# KiCad board ISA_CGA.kicad_pcb (continued)
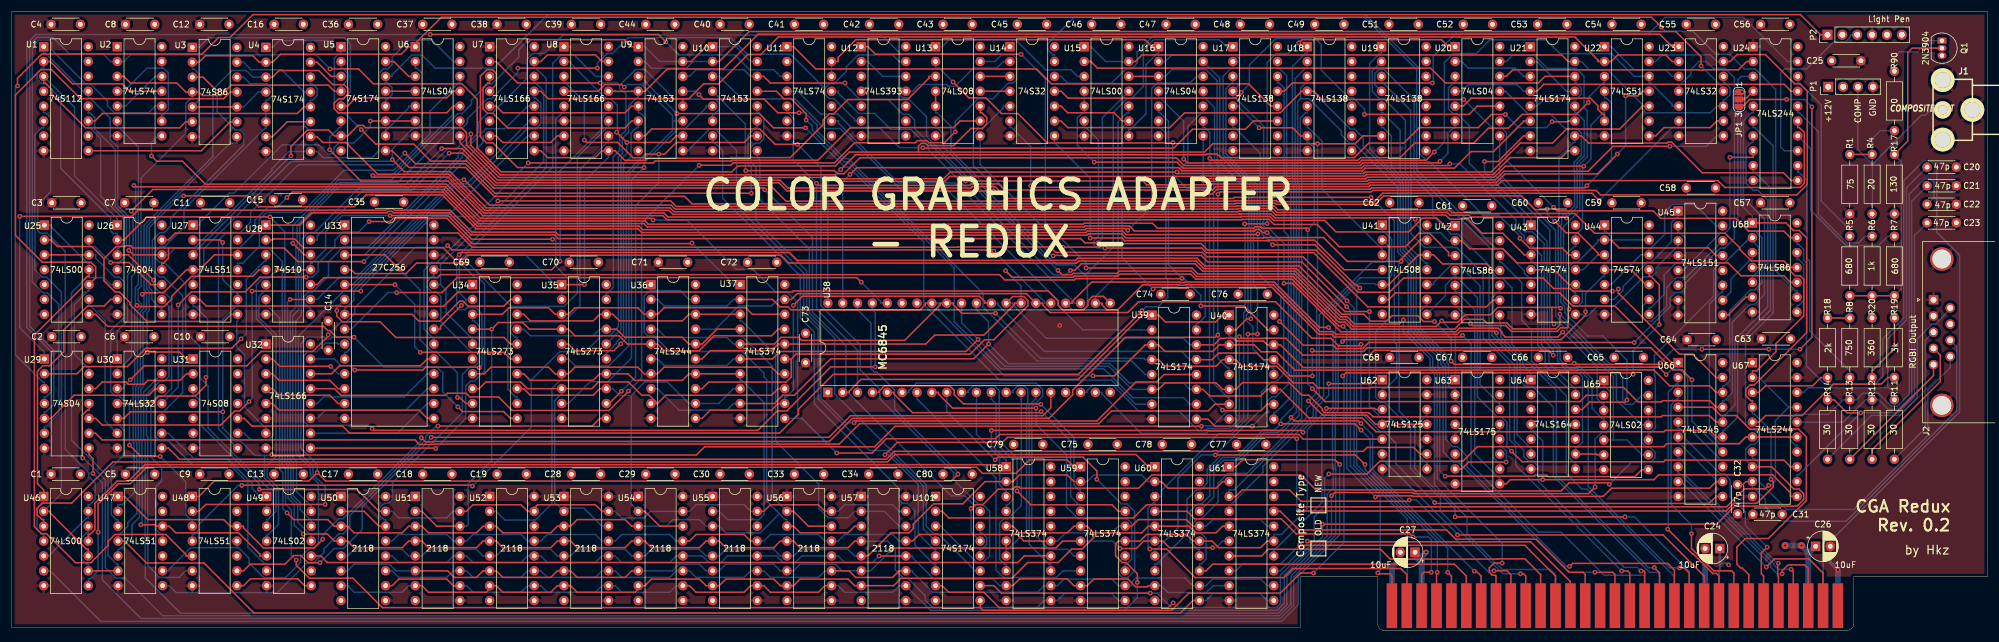
[diagram p0: board, top side]
## Routing (per net, layer and track width the routed paths; a pad name or vN(x,y) marks a point on that pad's centre or on a via; arc(x,y) is an arc through that point) (continued)
~{BLINK}: length 20.1
  Bottom w0.25: 170.56,97.16 169.44,97.16 168.31,96.03 164.31,96.03 161.22,92.94 160.01,92.94 159.72,93.22 155.06,93.22 153.91,92.07 U12.11
~{BW_1}: length 356
  Top w0.25: v2(13.89,26.79) 13.89,29.31 13.21,29.99 U29.8 ; v2(268.92,54.42) 268.92,53.82 264.74,49.64 227.7,49.64 v2(227.39,49.33) ; 272.16,61.59 276.68,61.59 279.22,59.05 U44.10
  Bottom w0.25: 273.29,66.67 279.78,66.67 ; 273.29,66.67 273.29,67.25 272.44,68.09 272.16,68.09 U44.1 ; 273.29,66.67 273.29,63.56 272.44,62.72 272.16,62.72 272.16,60.47 271.88,60.47 268.92,57.51 v2(268.92,54.42) ; v2(13.89,26.79) 15.5,25.18 15.5,8.61 22.1,2.01 216.77,2.01 219.03,4.27 219.03,9.07 226.23,16.27 226.23,27.98 226.16,28.06 226.16,37.12 226.67,37.63 226.67,48.62 v2(227.39,49.33)
~{BW_2}: length 125.5
  Top w0.25: 259.59,61.59 263.54,61.59 266.08,59.05 U43.10 ; v2(268.6,79.27) 255.2,79.27 253.32,77.39 231.63,77.39 231.37,77.14 203.91,77.14 v2(203.6,76.83)
  Bottom w0.25: v2(203.6,76.83) 203.58,76.86 U16.8 ; U22.5 272.16,88.41 271.95,88.41 269.83,86.29 269.83,80.5 v2(268.6,79.27) 268.39,79.06 268.39,68.71 267.49,67.8 267.21,67.8 267.21,65.55 266.93,65.55 265.63,64.25 265.63,56.48 266.77,55.34 267.63,55.34 268.36,56.07 268.36,57.9 U43.10
~{CAS}: length 141.2
  Top w0.25: U51.15 77.71,20.32 78.83,21.45 87.03,21.45 88.16,20.32 88.72,20.32 ; U53.15 100.86,20.32 99.73,21.45 89.84,21.45 88.72,20.32 ; U52.15 88.72,20.32 ; U56.15 138.96,20.32 137.83,21.45 129.63,21.45 128.51,20.32 U55.15 ; v2(42.31,24.06) 59.02,24.06 62.76,20.32 U50.15
  Bottom w0.25: U56.15 141.21,20.32 142.33,21.45 150.53,21.45 151.66,20.32 U57.15 ; U53.15 103.11,20.32 104.24,19.18 108.01,19.18 109.15,20.32 U54.15 115.81,20.32 116.93,21.45 125.13,21.45 126.26,20.32 U55.15 ; U51.15 75.46,20.32 74.33,19.19 66.13,19.19 65.01,20.32 U50.15 ; 30.99,41.28 30.99,40.15 31.27,40.15 32.11,39.31 32.11,35.25 42.31,25.05 v2(42.31,24.06)
~{CCLK}: length 219.7
  Top w0.25: v2(33.19,43.22) 33.19,41.85 31.34,40 25.05,40 v2(23.78,38.73) U30.4 ; 30.99,56.52 32.11,56.52 33.24,55.39 56.2,55.39 56.26,55.33 73.79,55.33 76.25,57.79 133.39,57.79 133.56,57.96 177.1,57.96 178.82,56.25 178.82,55.49 179.56,54.75 183.14,54.75 183.9,55.51 183.9,56.27 184.66,57.03 186.56,57.03 U38.21
  Bottom w0.25: 25.78,15.24 25.78,16.37 25.5,16.37 24.6,17.27 24.6,24.48 25.61,25.49 25.61,27.79 23.78,29.62 v2(23.78,38.73) ; v2(33.19,43.22) 33.46,43.49 33.46,53.2 31.27,55.39 30.99,55.39 30.99,56.52
~{CLR_SR}: length 183.9
  Top w0.25: U7.9 90.41,81.91 91.58,80.74 99.68,80.74 100.86,81.91 U8.9 103.11,81.91 104.74,80.28 108.25,80.28 108.59,80.62 122.77,80.62 122.9,80.74 133.02,80.74 138.63,86.36 138.63,87.14 139.72,88.23 140.45,88.23 142.88,90.66 153.06,90.66 156.74,94.33 156.74,94.61 U13.3 ; v2(72.44,31.05) 72.38,31.11 U32.9 ; U35.1 v2(97.87,59.05)
  Bottom w0.25: v2(97.87,59.05) 97.87,76.67 101.98,80.79 U8.9 ; v2(72.44,31.05) 77.56,36.18 77.56,41.69 78.42,42.54 79.08,42.54 80.8,44.27 80.8,59.15 79.66,60.29 79.11,60.29 76.95,62.46 76.95,62.99 78.04,64.09 87.82,64.09 92.85,59.05 U35.1
~{CPU_MEM_SEL}: length 415
  Top w0.25: U62.4 233.06,35.18 231.52,36.72 224.02,36.72 v2(221.59,39.16) ; 154.94,81.68 154.94,82.71 155.41,83.18 156.19,83.18 156.56,82.81 160.97,82.81 163.89,85.72 165.84,85.72 166.61,86.49 166.61,87.57 165.76,88.41 165.48,88.41 U13.10 ; 154.94,81.68 143.11,81.68 140.75,79.32 124.06,79.32 123.06,78.32 83.59,78.32 79.53,82.38 79.53,90.73 76.92,93.34 61.82,93.34 59.28,95.88 v2(54.39,95.88) ; 154.94,81.68 203.81,81.68 205.24,83.11 v2(223.13,83.11) 229.55,83.11 230.89,84.45 U19.7 ; 25.65,41.28 24.53,41.28 23.4,40.15 10.67,40.15 6.71,36.19 U29.5
  Bottom w0.25: v2(221.59,39.16) 222.97,40.54 222.97,55.25 223.13,55.41 v2(223.13,83.11) ; v2(54.39,95.88) 51.98,98.3 20.3,98.3 19.16,97.16 16.91,97.16 15.64,98.42 9.86,98.42 7,101.29 4.35,101.29 3.06,100 3.06,51.92 7.18,47.8 7.18,38.63 5.87,37.32 5.59,37.32 U29.5
~{CURSOR_BLINK}: length 188.3
  Top w0.25: v2(100.06,96.03) v2(86.47,96.03)
  Bottom w0.25: U12.6 144.04,86.99 144.04,87.28 140.47,90.84 139.67,90.84 138.92,91.59 138.92,92.56 ; U49.12 51.18,18.91 51,18.91 49.32,20.59 49.32,21.78 48.13,22.97 48.13,28.58 47.57,29.13 47.57,54.21 48.56,55.2 48.56,65.6 48.76,65.81 48.76,69.24 56.03,76.5 65.97,76.5 75.19,85.72 76.92,85.72 77.86,86.66 77.86,87.38 81.28,90.8 81.98,90.8 86.47,95.29 v2(86.47,96.03) ; 152.78,97.16 151.66,97.16 150.53,98.28 144.64,98.28 142.62,96.26 142.62,95.48 140.48,93.34 139.71,93.34 138.92,92.56 ; 138.92,92.56 133.09,98.39 125.68,98.39 122.84,101.23 105.37,101.23 102.66,98.52 101.74,98.52 100.06,96.84 v2(100.06,96.03)
~{CURSOR_DLY}: length 293.8
  Top w0.25: v2(265.65,70.44) 265.51,70.58 249.33,70.58 249.02,70.89 245.79,70.89 245.29,71.39 216.17,71.39 215.52,72.04 209.53,72.04 209.44,71.94 113.36,71.94 112.68,72.62 81.64,72.62 v2(77.28,76.99) ; 51.05,56.52 v2(47.58,56.52)
  Bottom w0.25: 51.05,56.52 52.18,56.52 55.99,60.32 58.91,60.32 75.57,76.99 v2(77.28,76.99) ; U49.11 51.18,16.37 50.98,16.37 48.87,18.48 48.87,21.6 47.68,22.79 47.68,28.39 47.12,28.94 47.12,56.06 v2(47.58,56.52) ; U21.12 267.08,88.41 267.36,88.41 268.69,87.08 268.69,81.02 267.43,79.76 267.43,78.78 267.49,78.72 267.49,72.29 v2(265.65,70.44)
~{DISPEN_DLY}: length 122.1
  Top w0.25: 267.08,97.16 265.96,97.16 264.83,98.28 193.13,98.28 192.01,97.16 190.88,97.16
  Bottom w0.25: 267.08,97.16 268.21,97.16 269.62,95.74 272.7,95.74 278.51,89.93 278.51,89.16 279.26,88.41 290.23,88.41 291.36,89.53 U23.10 292.48,90.66 292.76,90.66 293.61,91.5 293.61,92.65 292.76,93.49 292.48,93.49 U23.12 ; U15.1 184.39,99.69 186.93,97.16 190.88,97.16
~{DISPEN}: length 60.5
  Top w0.25: U24.17 304.06,92.07 302.88,93.25 261.77,93.25 260.59,92.07 U21.4
  Bottom w0.25: U21.4 258.34,92.07 257.21,93.2 248.88,93.2 247.76,92.07 U20.4
~{EN_CPU_CAS_ADDR}: length 265.7
  Top w0.25: U61.1 209.15,27.94 210.35,29.14 226.1,29.14 v2(226.9,28.34)
  Bottom w0.25: U46.6 6.59,10.16 15.21,1.54 216.98,1.54 219.84,4.4 219.84,9.25 226.9,16.31 v2(226.9,28.34)
~{EN_CPU_RAS_ADDR}: length 199.3
  Top w0.25: U60.1 194.2,27.94 192.12,30.02 150.92,30.02 149.66,28.76 17.28,28.76 10.26,21.73 5.27,21.73 4.34,20.8 4.34,19.75 5.18,18.91 5.46,18.91 U46.3
~{EN_CRT_CAS_ADDR}: length 245.9
  Top w0.25: v2(225.04,42.13) 232.39,42.13 233.06,42.8 U62.1 ; v2(220.65,33.81) 220.34,34.13 v2(167.39,34.13) ; U58.1 168.8,27.94 168.44,28.3 22.76,28.3 19.95,25.49 18.01,25.49 14.21,21.68 14.21,17.21 13.36,16.37 13.08,16.37 U46.11
  Bottom w0.25: v2(167.39,34.13) 167.39,31.6 169.93,29.07 U58.1 ; v2(220.65,33.81) 220.65,34.2 222.85,36.4 222.85,37.96 225.04,40.16 v2(225.04,42.13)
~{EN_CRT_RAS_ADDR}: length 187.2
  Top w0.25: v2(14.77,16.74) 14.77,21.59 18.22,25.04 20.25,25.04 23.06,27.85 164.86,27.85 165.89,26.81 171.6,26.81 173.91,29.12 180.32,29.12 181.5,27.94 U59.1
  Bottom w0.25: U46.8 13.08,8.75 13.36,8.75 14.77,10.15 v2(14.77,16.74)
~{ENABLE_BLINK}: length 201
  Top w0.25: v2(193.13,54.58) 182.27,43.72 140.39,43.72 134.44,37.77 134.44,36.93 131.2,33.69 57.74,33.69 56.54,34.89 41.04,34.89 39.73,36.19 U31.10
  Bottom w0.25: U16.6 195.96,85.87 196.24,85.87 197.21,84.9 197.21,60.23 197.53,59.91 197.53,56.91 195.87,55.25 193.8,55.25 v2(193.13,54.58)
~{GRPH}: length 349.7
  Top w0.25: v2(78.45,84.77) 78.45,82.82 83.48,77.8 140.65,77.8 141.32,77.14 159.23,77.14 160.36,78.27 v2(199.11,78.27) 199.34,78.04 231,78.04 231.25,78.29 252.81,78.29 257.74,83.22 263.27,83.22 265.68,85.63 274.75,85.63 278.66,89.53 U22.10
  Bottom w0.25: v2(78.45,84.77) 78.45,84.7 75.99,82.24 74.44,82.24 67.81,75.6 59.4,75.6 51.71,67.91 50.69,67.91 49.67,66.88 49.67,65.3 49.46,65.1 49.46,53.76 48.52,52.82 48.52,30.28 51.03,27.77 51.03,26.44 52.39,25.08 52.39,14.78 51.59,13.97 50.83,13.97 49.35,12.5 49.35,11.6 46.76,9 43.05,9 40.55,11.5 40.55,12.33 38.73,14.15 38.48,14.15 ; 38.48,14.15 38.45,14.11 30.58,14.11 26.91,10.44 26.91,10.16 25.78,10.16 ; 38.48,14.15 U48.11 ; U16.10 203.58,88.41 203.3,88.41 200.97,86.08 200.97,80.13 v2(199.11,78.27)
~{HCLK}: length 198
  Top w0.25: v2(232.27,73.95) 208.9,73.95 208.7,73.76 170.06,73.76 168.03,75.79 164.12,75.79 163.88,75.55 132.62,75.55 131.27,76.9 83.01,76.9 76.58,83.33 U6.8
  Bottom w0.25: U62.2 234.19,41.38 234.89,41.38 236.64,43.13 236.64,48.81 236.24,49.21 236.24,69.98 v2(232.27,73.95)
~{HRES}: length 262.9
  Top w0.25: U27.12 34.65,64.13 32.11,61.59 29.86,61.59 25.93,57.66 22.58,57.66 v2(22.32,57.4) ; v2(190.7,68.32) 190.38,68.63 183.61,68.63 183.41,68.43 107.8,68.43 107.2,69.02 79.55,69.02 73.72,74.85 47.96,74.85 v2(47.03,73.93)
  Bottom w0.25: v2(47.03,73.93) 45.34,72.24 43.75,72.24 41.53,70.01 41.53,67.9 38.89,65.26 38.61,65.26 U27.12 ; v2(190.7,68.32) 194.79,72.41 194.79,92.56 195.72,93.49 201.33,93.49 202.46,94.61 U16.12 ; v2(22.32,57.4) 22.59,57.13 22.59,55.01 21.98,54.4 21.98,41.74 21.63,41.38 21.63,32.43 21.82,32.24 21.82,19.3 20.55,18.04 20.55,15.94 18.44,13.83 18.16,13.83 U47.5
~{IOR}: length 167.2
  Top w0.25: v2(247.91,50.38) 247.63,50.09 226.06,50.09 225.6,50.56 223.35,50.56 215.32,58.58 200.75,58.58 200.66,58.49 199.31,58.49 199.22,58.58 195.3,58.58 v2(195.02,58.3) ; U14.10 179.31,89.53 180.43,88.41 188.34,88.41 189.76,86.99 U15.9
  Bottom w0.25: P5.14 279.02,9.27 278.89,9.4 272.09,9.4 264.73,16.76 260.88,16.76 249.37,28.27 249.37,48.92 v2(247.91,50.38) ; U15.9 189.72,85.83 189.72,63.6 v2(195.02,58.3)
~{IOW}: length 170.7
  Top w0.25: v2(253.69,50.82) 253.4,51.11 247.52,51.11 246.95,50.54 226.25,50.54 225.78,51.01 223.53,51.01 215.51,59.03 200.57,59.03 200.47,58.94 199.5,58.94 199.4,59.03 193.26,59.03 188.97,54.73 187.16,54.73 186.29,55.6 186.29,55.88 U38.22
  Bottom w0.25: v2(253.69,50.82) 253.69,50.24 257.75,46.18 257.75,42.57 258.64,41.67 259.85,41.67 263.43,38.09 263.43,26.3 279.83,9.91 281.18,9.91 281.56,9.53 P5.13 ; U15.10 190.88,88.41 190.6,88.41 189.05,86.86 189.05,60.89 185.17,57.01 U38.22
~{LCLK}: length 339.9
  Top w0.25: 68.4,99.69 73.42,104.71 280.19,104.71 v2(281.87,103.04) ; 68.4,99.69 67.84,99.69 66.53,98.39 45.92,98.39 44.56,97.03 U4.2 42.31,97.03 41.18,98.15 33.11,98.15 31.99,97.03 U3.2 ; 68.4,99.69 U6.1 ; U3.10 U3.5
  Bottom w0.25: U4.4 42.15,91.95 39.61,89.41 U3.10 ; U3.5 32.01,90.56 32.01,95.04 31.14,95.9 30.86,95.9 U3.2 ; v2(281.87,103.04) 282.57,102.33 287.28,102.33 291.22,98.39 293.52,98.39 296.03,95.88 297.9,95.88 301.41,92.38 301.41,61.39 304.77,58.02 305.05,58.02 U68.9
~{LPEN_INPUT}: length 370.6
  Top w0.25: v2(0.99,92.99) 0.99,94.31 5.11,98.43 32.52,98.43 35.35,101.26 37.31,101.26 41.21,105.16 305.65,105.16 309.09,101.73 P2.1
  Bottom w0.25: v2(0.99,92.99) 0.63,92.63 0.63,47.07 5.31,42.4 5.59,42.4 5.59,41.28
~{LPEN_SW}: length 31.9
  Bottom w0.25: U24.13 302.9,81.91 302.26,82.55 302.26,95.25 302.9,95.88 306.68,95.88 311.35,100.55 313.36,100.55 314.17,101.36 314.17,101.73 P2.3
~{MEMR}: length 321.8
  Top w0.25: U41.5 235.31,59.05 240.39,64.13 U41.12 242.93,64.13 244.48,62.59 252,62.59 253.13,61.47 U42.11
  Bottom w0.25: U41.5 233.06,59.05 232.89,59.23 230.08,59.23 226.22,55.36 226.22,37.82 225.69,37.29 225.69,27.88 225.78,27.8 225.78,24.3 224.78,23.3 224.78,16.09 217.91,9.22 217.91,4.42 216.43,2.94 28.84,2.94 22.8,8.98 22.8,32.53 22.55,32.79 22.55,40.71 U30.13
~{MEMW}: length 370.3
  Top w0.25: 241.81,66.67 240.68,66.67 237.4,63.39 v2(237.4,63.01) 228.22,63.01 224.14,67.09 213.97,67.09 213.88,67 190.35,67 189.62,67.73 183.98,67.73 183.75,67.5 93.43,67.5 92.93,68 78.66,68 74.9,71.76 65.41,71.76 65.14,72.03 64.17,72.03 63.9,71.76 21.6,71.76 20.55,70.72 v2(1.37,70.72) ; v2(275.66,19.37) v2(246.63,19.37)
  Bottom w0.25: v2(1.37,70.72) 1.37,51.7 5.59,47.48 U29.1 ; v2(275.66,19.37) 277.3,19.37 286.64,10.03 P5.11 ; v2(237.4,63.01) 237,62.61 237,52.77 237.09,52.67 237.09,37.42 239.77,34.74 239.77,27.55 246.63,20.69 v2(246.63,19.37)
~{Q2'}: length 368.7
  Top w0.25: U6.10 75.46,89.53 74.33,88.41 55.79,88.41 55.09,89.11 55.09,90.02 55.87,90.8 56.66,90.8 57.42,91.57 57.42,92.56 56.79,93.2 54.88,93.2 52.46,95.61 45.68,95.61 44.56,94.49 U4.3 ; U49.5 42.44,12.7 42.44,12.98 38.76,16.65 28.03,16.65 26.91,17.78 24.66,17.78 24.4,18.03 v2(22.07,18.03) ; U42.1 244.82,69.09 243.5,70.41 241.04,70.41 238.68,68.05 226.28,68.05 224.33,70 215.65,70 214.96,70.69 210.09,70.69 210,70.59 112.13,70.59 111.45,71.27 80.69,71.27 74.55,77.41 61.97,77.41 v2(61.7,77.68)
  Bottom w0.25: v2(22.07,18.03) 22.27,18.23 22.27,32.43 22.08,32.61 22.08,41.2 22.43,41.55 22.43,54.21 23.04,54.82 23.04,57.7 22.61,58.14 22.61,69.16 34.38,80.94 34.38,92.39 37.62,95.62 40.06,95.62 41.2,94.49 U4.3 ; U6.10 75.46,89.53 75.46,88.13 65.01,77.68 v2(61.7,77.68)
~{RAS}: length 300.4
  Top w0.25: 5.46,97.16 6.59,97.16 10.4,93.34 18.85,93.34 20.12,92.07 U2.11 ; v2(44.11,70.62) 23.11,70.62 19.16,66.67 18.03,66.67 ; U57.4 144.04,15.24 142.91,14.11 134.71,14.11 133.59,15.24 U56.4 131.34,15.24 130.21,14.11 122.01,14.11 120.89,15.24 U55.4 118.64,15.24 117.51,14.11 109.31,14.11 108.19,15.24 U54.4 105.94,15.24 104.81,14.11 96.61,14.11 95.49,15.24 U53.4 93.24,15.24 92.11,14.11 83.91,14.11 82.79,15.24 U52.4 80.54,15.24 79.41,14.11 71.21,14.11 70.09,15.24 U51.4 67.84,15.24 66.71,14.11 58.51,14.11 57.39,15.24 U50.4 55.14,15.24 53.94,16.43 v2(49.83,16.43)
  Bottom w0.25: 18.03,66.67 18.03,67.8 17.33,67.8 16.91,68.22 16.91,70.39 8.35,78.94 8.35,90.85 5.82,93.38 5.09,93.38 4.34,94.14 4.34,95.19 5.18,96.03 5.46,96.03 5.46,97.16 ; U57.4 149.66,15.24 150.97,13.93 150.97,10.3 152.38,8.89 153.11,8.89 156.08,5.92 156.08,5.18 157.37,3.9 175.24,3.9 176.42,5.08 U58.11 178.67,5.08 179.89,6.3 187.9,6.3 189.12,5.08 U59.11 ; v2(44.11,70.62) 46.67,68.06 46.67,28.76 47.22,28.2 47.22,22.55 48.27,21.5 48.27,17.99 v2(49.83,16.43)
~{RD_GATE}: length 126.4
  Top w0.25: v2(28.45,55.58) 30.7,57.82 39.9,57.82 42.41,60.32 v2(50.32,60.32) ; v2(116.24,66.15) 116.13,66.05 78.7,66.05 74.36,70.39 65.22,70.39 64.65,69.82 v2(61.07,69.82)
  Bottom w0.25: U37.1 123.33,59.05 v2(116.24,66.15) ; v2(50.32,60.32) 51.38,60.32 52.35,61.29 52.35,62.69 55.23,65.56 55.23,66.68 56.59,68.04 59.29,68.04 v2(61.07,69.82) ; v2(28.45,55.58) 28.45,41.53 U30.11
~{RESET'}: length 199.6
  Top w0.25: v2(272.99,24.93) 272.73,25.19 266.12,25.19 264.75,23.82 239.75,23.82 239.58,23.98 222.85,23.98 220.31,26.53 194.82,26.53 192.55,24.27 172.33,24.27 172.08,24.52 171.48,24.52 171.06,24.1 168.58,24.1 165.92,21.45 164.58,21.45 v2(163.93,20.8)
  Bottom w0.25: 278.53,35.05 278.53,32.04 279.33,31.24 279.98,31.24 280.81,30.42 280.81,29.48 280.1,28.78 276.83,28.78 v2(272.99,24.93) ; 278.53,35.05 U65.11 U65.12 ; 278.53,35.05 274.19,39.39 274.19,43.61 264.71,53.09 264.39,53.09 263.8,53.68 263.8,68.28 254.25,77.83 U20.8 ; U101.13 163.93,16.79 v2(163.93,20.8)
~{RESET}: length 249.3
  Top w0.25: U40.1 206.9,53.85 205.73,52.67 197.12,52.67 195.94,53.85 U39.1 193.2,53.85 182.2,42.85 145.12,42.85 143.11,40.84 143.11,40.64 U38.2 ; v2(128.68,75.25) 128.38,75.55 82.4,75.55 77.8,80.15 71.6,80.15 68.71,83.04 62.21,83.04 v2(59.73,85.52)
  Bottom w0.25: 142.55,40.64 143.11,40.64 143.11,40.39 160.55,22.95 162.85,22.95 U101.15 ; 142.55,40.64 142.55,48.62 136.83,54.35 136.83,67.1 v2(128.68,75.25) ; 142.55,40.64 U38.2 ; U4.1 44.56,99.57 45.74,100.75 54.08,100.75 55.14,99.69 U5.1 56.26,98.57 55.98,98.57 55.14,97.73 55.14,89.03 55.9,88.27 56.99,88.27 v2(59.73,85.52)
~{SEL_1}: length 63.6
  Bottom w0.25: U40.9 215.65,37.19 215.93,37.19 218.59,39.85 218.59,74.99 217.86,75.73 217.86,94.74 216.56,96.03 216.28,96.03 216.28,97.16
~{SEL_2}: length 73.7
  Top w0.25: v2(211.99,34.86) 205.59,34.86 204.38,36.07 U39.9
  Bottom w0.25: U17.14 216.28,93.49 216.56,93.49 217.41,92.64 217.41,68.13 218.13,67.4 218.13,42.04 215.97,39.88 215.31,39.88 214.49,39.06 214.49,37.36 v2(211.99,34.86)
~{STATUS_SEL}: length 99.8
  Top w0.25: U17.13 217.41,92.07 218.82,93.49 v2(242.75,93.49)
  Bottom w0.25: v2(242.75,93.49) 242.89,93.63 242.89,98.06 246.77,101.94 279.74,101.94 282.49,104.69 295.89,104.69 303.43,97.16 305.18,97.16
~{WE}: length 211.6
  Top w0.25: U57.3 144.04,17.78 142.91,16.65 134.71,16.65 133.59,17.78 U56.3 ; v2(47.05,20.05) 48.19,18.91 54.01,18.91 55.14,17.78 U50.3 57.39,17.78 58.51,16.65 66.71,16.65 67.84,17.78 U51.3 70.09,17.78 71.21,16.65 79.41,16.65 80.54,17.78 U52.3 82.79,17.78 83.91,16.65 92.11,16.65 93.24,17.78 U53.3 95.49,17.78 96.61,18.91 104.81,18.91 105.94,17.78 U54.3
  Bottom w0.25: 116.84,56.52 115.71,56.52 114.2,58.03 109.22,58.03 ; 109.22,58.03 109.22,57.93 108.94,57.93 108.08,57.07 108.08,50.94 108.71,50.31 109.74,50.31 112.43,47.62 124.82,47.62 128.56,43.88 128.56,43.25 129.01,42.8 129.01,22.08 131.17,19.92 ; 109.22,58.03 U36.1 ; 131.17,19.92 127.89,16.64 122.02,16.64 120.89,17.78 U55.3 118.64,17.78 117.51,18.91 113.01,18.91 111.88,17.78 U54.3 ; 131.17,19.92 132.18,18.91 132.46,18.91 U56.3 ; 43.43,56.52 43.43,55.39 43.72,55.39 45.77,53.33 45.77,27.48 46.32,26.93 46.32,20.77 v2(47.05,20.05)
Net-(J2-Pad3): length 24.5
  Bottom w0.25: R11.1 326.97,34.49 326.97,49.52 J2.3
Net-(J2-Pad4): length 24.2
  Top w0.25: J2.4 329.52,47 329.52,42.49 317.88,30.84 R12.1
Net-(J2-Pad5): length 22.1
  Top w0.25: J2.5 328.38,43.51 R13.1
Net-(J2-Pad6): length 37.7
  Bottom w0.25: J2.6 331.22,54.85 328.63,52.27 328.11,52.27 325.6,49.75 325.6,39.71 322.59,36.71 317.76,36.71 R14.1
Net-(JP1-Pad2): length 3
  Top w0.25: U24.4 296.42,90.93 296.16,90.93 295.91,90.68 JP1.2
Net-(P5-Pad62): length 146.2
  Top w0.25: v2(228.11,55.27) 220.47,62.91 204.37,62.91 203.25,64.03 178.01,64.03 v2(177.94,63.96) ; P5.62 235.84,9.27 235.46,9.65 233.6,9.65 v2(233.43,9.82) ; U13.5 U13.4
  Bottom w0.25: v2(233.43,9.82) 233.83,10.22 233.83,22.99 228.74,28.08 228.74,28.08 228.74,54.64 v2(228.11,55.27) ; v2(177.94,63.96) 177.77,63.96 165.76,75.97 165.76,76.66 160.49,81.92 160.49,86.06 158.14,88.41 157.86,88.41 U13.5
Net-(Q1-Pad1): length 11.7
  Bottom w0.25: R90.2 321.69,97.92 322.58,98.81 325.63,98.81 327.53,100.71 Q1.1
Net-(Q1-Pad2): length 80.4
  Top w0.25: R7.1 R6.1 R5.1 ; R20.2 317.88,44.31 321.69,48.12 R19.1 ; R17.1 323.98,83.57 323.98,98.68 324.74,99.44 329.82,99.44 ; R18.1 R8.1
  Bottom w0.25: R5.1 R8.1 ; R17.1 322.87,80.1 322.87,58.33 R7.1 R19.1
Net-(R1-Pad2): length 10.9
  Top w0.25: R1.2 R4.2
  Bottom w0.25: R4.2 317.88,83.95 319.28,85.34 R90.1
Net-(R5-Pad2): length 31.2
  Bottom w0.25: U24.18 305.18,93.49 305.46,93.49 309.16,89.79 309.16,73.34 314.07,68.44 R5.2
Net-(R6-Pad2): length 31.8
  Bottom w0.25: R6.2 316.76,67.31 315.61,66.16 313.62,66.16 308.71,71.06 308.71,85.16 305.46,88.41 305.18,88.41 U24.16
Net-(R7-Pad2): length 31.1
  Bottom w0.25: U24.14 307.44,82.19 307.44,71.7 313.43,65.71 318.96,65.71 320.57,67.31 R7.2
Net-(R8-Pad2): length 40
  Bottom w0.25: R8.2 314.07,44.31 307.21,51.17 307.21,63.06 306.76,63.51 306.76,76.87 305.37,78.25 305.18,78.25 U24.12
Net-(R18-Pad2): length 13.9
  Top w0.25: U67.3 298.56,40.64 299.68,41.77 307.72,41.77 309.14,43.18 R18.2
Net-(R19-Pad2): length 27.4
  Top w0.25: U67.5 298.56,35.56 299.68,36.69 305.93,36.69 311.3,42.05 319.44,42.05 320.57,43.18 R19.2
Net-(U1-Pad5): length 87.8
  Bottom w0.25: U46.5 6.59,12.7 6.59,12.98 12.8,19.19 13.08,19.19 U46.13 13.08,21.45 13.33,21.45 14.26,22.37 14.26,25.18 13.16,26.28 13.16,26.91 9.14,30.93 9.14,64.74 6.06,67.82 4.91,67.82 4.44,68.29 4.44,72.71 6.67,74.94 6.67,87.48 5.74,88.41 5.46,88.41 U1.5
Net-(U1-Pad6): length 82.6
  Top w0.25: U46.2 6.59,20.32 6.59,20.04 12.8,13.83 13.08,13.83 U46.10
  Bottom w0.25: U1.6 5.46,85.87 5.18,85.87 3.97,84.66 3.97,61.61 5.26,60.32 5.92,60.32 8.5,57.75 8.5,23.36 U46.2
Net-(U1-Pad9): length 27.5
  Top w0.25: U3.9 37.36,86.87 32.4,81.91 U1.9
Net-(U1-Pad12): length 31.6
  Bottom w0.25: U1.12 13.08,88.41 13.36,88.41 14.21,87.57 14.21,85.63 17.68,82.16 17.68,72.35 19.62,70.41 19.62,65.64 19.16,65.18 19.16,63.56 18.32,62.72 18.03,62.72 18.03,61.59
Net-(U2-Pad6): length 95.6
  Top w0.25: 43.43,61.59 42.31,61.59 41.18,60.47 30.74,60.47 27.35,57.07 27.35,56.6 26.06,55.31 21.6,55.31 v2(21.42,55.49)
  Bottom w0.25: 21.14,55.49 v2(21.42,55.49) ; 21.14,55.49 21.02,55.37 21.02,42.05 20.73,41.76 20.73,32.05 20.91,31.87 20.91,23.5 18.86,21.45 18.16,21.45 U47.2 ; 21.14,55.49 21.14,58.59 21.63,59.07 21.63,82.56 18.32,85.87 18.03,85.87 U2.6
Net-(U2-Pad10): length 99
  Bottom w0.25: U2.10 24.53,89.53 23.39,88.4 17.55,88.4 16.38,89.57 16.38,90.38 13.45,93.31 12.68,93.31 6.83,99.16 6.83,100.4 6.42,100.82 4.53,100.82 3.51,99.8 3.51,59.52 5.39,57.64 6.08,57.64 8.05,55.67 8.05,36.96 5.87,34.78 5.59,34.78 U29.6
Net-(U2-Pad12): length 9.7
  Bottom w0.25: U2.12 24.53,94.61 19.45,89.53 U2.5
Net-(U2-Pad13): length 20.7
  Bottom w0.25: 25.65,97.16 25.65,96.03 ; 25.65,96.03 23.11,96.03 19.16,92.07 U2.4 ; 25.65,96.03 25.94,96.03 26.78,95.19 26.78,88.96 25.94,88.12 25.65,88.12 U2.9
Net-(U3-Pad1): length 61
  Top w0.25: U6.11 75.46,92.07 74.33,90.95 58.8,90.95 57.39,89.53 U5.5
  Bottom w0.25: U5.5 56.26,90.66 56.54,90.66 57.86,91.98 57.86,100.18 56.82,101.22 33.64,101.22 31.99,99.57 U3.1
Net-(U3-Pad3): length 74.6
  Top w0.25: v2(35.11,92.08) 32.7,94.49 U3.3
  Bottom w0.25: v2(35.11,92.08) 35.11,88.58 38.23,85.47 38.98,85.47 39.66,84.79 39.66,82.91 27.16,70.41 27.16,69.05 26.02,67.91 25.29,67.91 24.03,66.64 24.03,61.58 25.29,60.32 26,60.32 29.2,57.12 29.2,40.59 25.94,37.32 25.65,37.32 U30.10
Net-(U3-Pad8): length 52.6
  Top w0.25: v2(23.2,47.45) 23.29,47.53 28.68,47.53 29.86,46.35 U31.1
  Bottom w0.25: v2(23.2,47.45) 23.13,47.52 23.13,54.27 23.49,54.63 23.49,57.89 23.06,58.33 23.06,68.98 37.28,83.2 38.48,83.2 U3.8
Net-(U3-Pad12): length 98
  Bottom w0.25: U3.12 39.61,94.49 40.73,93.36 43.61,93.36 44.56,92.41 44.56,91.38 43.72,90.53 43.43,90.53 U4.5 U4.6 43.43,85.74 43.25,85.74 29.44,71.94 29.44,68.87 26.12,65.55 25.39,65.55 24.51,64.67 24.51,63.62 25.28,62.86 26.04,62.86 29.73,59.17 29.73,50.95 32.11,48.56 32.11,43.2 33.55,41.77 33.55,34.55 43.96,24.14 44.42,24.14 44.69,23.87 44.69,21.87 44.26,21.45 43.56,21.45 U49.2
Net-(U4-Pad11): length 8.7
  Top w0.25: U4.7 44.56,84.33 47.1,86.87 U4.11
Net-(U4-Pad15): length 6.2
  Top w0.25: U5.3 54.59,94.61 52.18,97.03 U4.15
Net-(U5-Pad10): length 8
  Bottom w0.25: U5.10 63.88,85.58 64.16,85.58 67.84,89.25 67.84,89.53 U6.5
Net-(U5-Pad13): length 5.1
  Top w0.25: U6.4 U5.13
Net-(U5-Pad15): length 6.1
  Top w0.25: 63.88,97.16 65.3,97.16 67.84,94.61 U6.3
Net-(U10-Pad7): length 90.8
  Bottom w0.25: U10.7 119.76,83.33 120.04,83.33 121.49,81.88 121.49,73.77 134.74,60.52 134.74,53.35 137.13,50.96 137.13,38.71 151.61,24.23 151.61,22.37 152.29,21.68 153.02,21.68 154.33,20.38 154.33,14.54 157.58,11.29 157.86,11.29 U101.6
Net-(U10-Pad9): length 88.7
  Bottom w0.25: U10.9 127.38,80.79 127.83,80.34 127.83,73.57 136.29,65.11 136.29,54.25 140.62,49.91 140.62,40.39 149.85,31.17 149.92,31.17 156.26,24.82 156.26,17.78 157.53,16.51 158.29,16.51 164.36,10.44 164.36,10.16 U101.11
Net-(U10-Pad11): length 151.3
  Top w0.25: v2(126.37,74.65) 82.58,74.65 77.54,79.7 69.01,79.7 v2(67.18,81.53)
  Bottom w0.25: v2(67.18,81.53) 67.18,81.47 65.24,79.53 48.97,79.53 40.81,71.37 40.81,69.69 39.07,67.94 36.67,67.94 35.33,66.6 35.33,34.4 U31.8 ; U10.11 127.38,85.87 127.1,85.87 125.81,84.58 125.81,79.73 126.37,79.17 v2(126.37,74.65)